# KiCad board Clavier.kicad_pcb (continued)
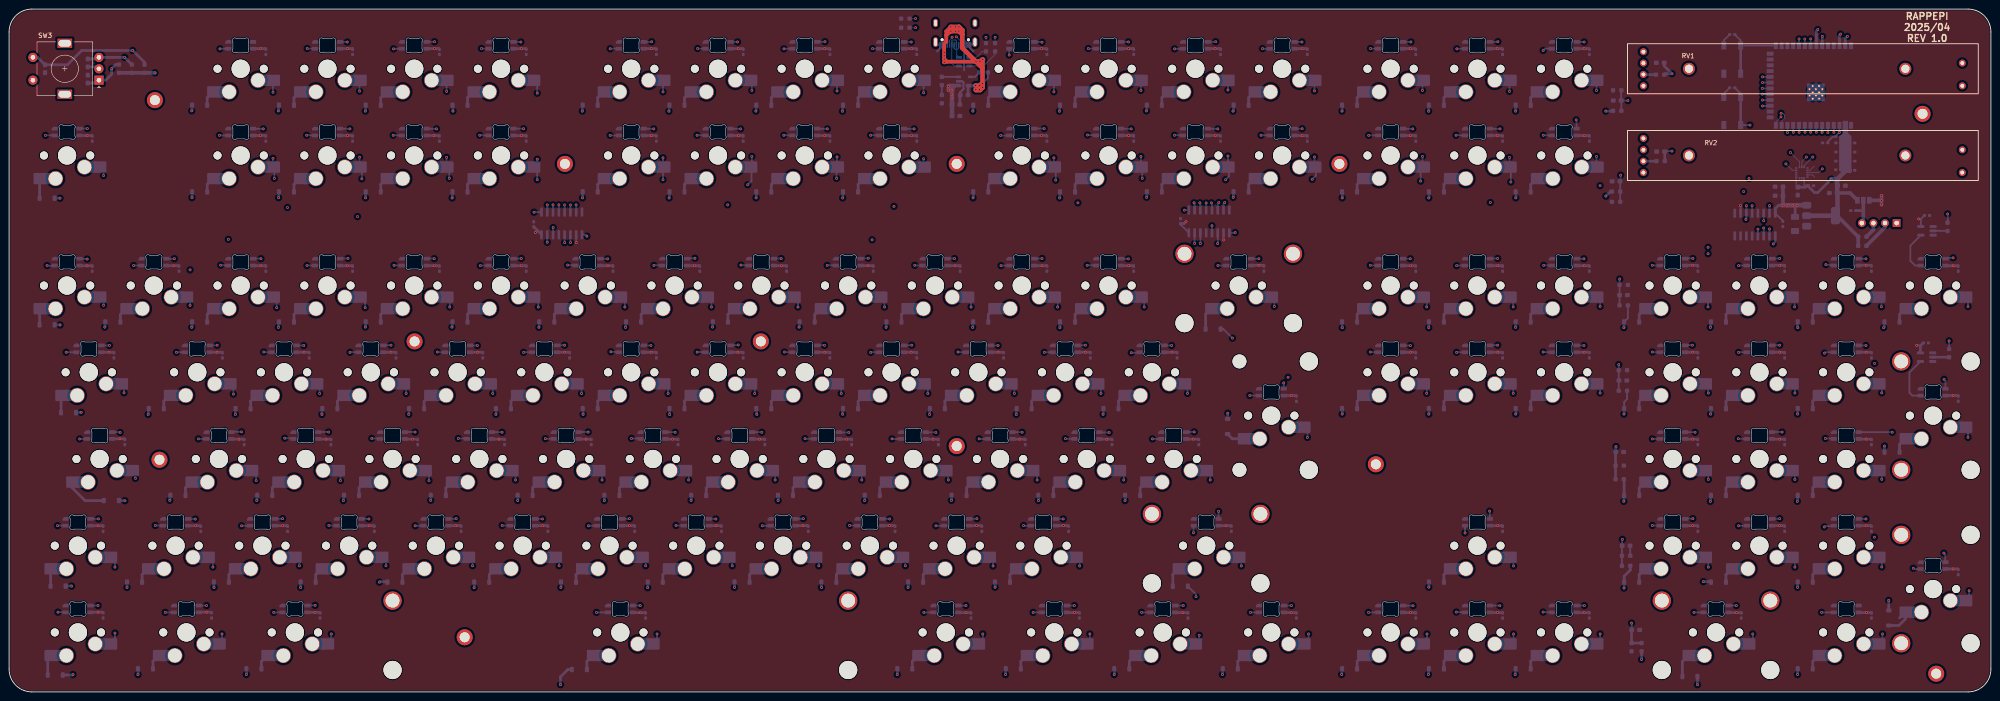
[diagram p0: board, top side]
## Routing (per net, layer and track width the routed paths; a pad name or vN(x,y) marks a point on that pad's centre or on a via; arc(x,y) is an arc through that point) (continued)
Net-(D54-A): length 3.4
  Bottom w0.6: MX54.2 33.95,63.88 33.95,62.22
Net-(D55-A): length 3.4
  Bottom w0.6: 54.26,65.14 53,63.88 D55.2
Net-(D56-A): length 3.4
  Bottom w0.6: MX56.2 72.05,63.88 D56.2
Net-(D57-A): length 3.4
  Bottom w0.6: D57.2 91.1,63.88 MX57.2
Net-(D58-A): length 3.4
  Bottom w0.6: D58.2 110.15,63.88 MX58.2
Net-(D59-A): length 3.4
  Bottom w0.6: MX59.2 129.2,63.88 D59.2
Net-(D60-A): length 3.4
  Bottom w0.6: MX60.2 148.25,63.88 D60.2
Net-(D61-A): length 3.4
  Bottom w0.6: MX61.2 167.3,63.88 D61.2
Net-(D62-A): length 3.4
  Bottom w0.6: D62.2 186.35,63.88 187.61,65.14
Net-(D63-A): length 3.4
  Bottom w0.6: D63.2 205.4,63.88 MX63.2
Net-(D64-A): length 3.4
  Bottom w0.6: MX64.2 224.45,63.88 D64.2
Net-(D65-A): length 3.4
  Bottom w0.6: MX65.2 243.5,63.88 243.5,62.22
Net-(D66-A): length 3.9
  Bottom w0.6: D66.2 268.49,55.61 270.95,55.61
Net-(D67-A): length 3.4
  Bottom w0.6: MX67.2 295.89,63.88 D67.2
Net-(D68-A): length 3.4
  Bottom w0.6: D68.2 314.94,63.88 MX68.2
Net-(D69-A): length 3.4
  Bottom w0.6: D69.2 333.99,63.88 MX69.2
Net-(D70-A): length 3.4
  Bottom w0.6: MX70.2 357.8,63.88 D70.2
Net-(D71-A): length 3.4
  Bottom w0.6: 378.11,65.14 376.85,63.88 D71.2
Net-(D72-A): length 3.4
  Bottom w0.6: D72.2 395.9,63.88 MX72.2
Net-(D73-A): length 3.4
  Bottom w0.6: 416.21,55.61 414.95,54.35 D73.2
Net-(D74-A): length 9.4
  Bottom w0.6: D74.2 16.64,42.04 13.78,44.89 MX74.2
Net-(D74-K): length 391.6
  In1.Cu w0.6: v1(392.51,41.87) 373.44,41.87 v1(373.42,41.85) 373.4,41.87 v1(354.41,41.87) 289.02,41.87 287.23,43.66 246.58,43.66 v1(244.94,42.02) 244.88,42.08 v1(35.26,42.08) 35.18,41.99 v1(25.42,41.99)
  Bottom w0.6: 392.56,43.12 392.56,41.91 ; 168.83,43.29 168.83,42.08 ; D87.1 354.5,46.65 R13.1 ; 73.41,43.28 73.41,42.06 ; 111.68,43.29 111.68,42.08 ; 35.31,43.33 35.31,42.12 ; 373.46,43.11 373.46,41.89 ; 206.88,43.33 206.88,42.12 ; 130.68,43.28 130.68,42.06 ; 92.58,43.33 92.58,42.12 ; 187.83,43.28 187.83,42.06 ; 149.73,43.33 149.73,42.12 ; 225.98,43.29 225.98,42.08 ; 24.16,42.04 25.37,42.04 ; 244.98,43.28 244.98,42.06 ; 54.4,43.29 54.4,42.08 ; 354.46,43.12 354.46,41.91
  vias: v1(54.36,42.04) v1(73.36,42.02) v1(92.54,42.08) v1(111.63,42.04) v1(130.64,42.02) v1(149.69,42.08) v1(168.78,42.04) v1(187.79,42.02) v1(206.84,42.08) v1(225.93,42.04)
Net-(D75-A): length 3.4
  Bottom w0.6: D75.2 38.71,44.83 MX75.2
Net-(D76-A): length 3.4
  Bottom w0.6: MX76.2 57.76,44.83 D76.2
Net-(D77-A): length 3.4
  Bottom w0.6: MX77.2 76.81,44.83 D77.2
Net-(D78-A): length 3.4
  Bottom w0.6: MX78.2 95.86,44.83 D78.2
Net-(D79-A): length 3.4
  Bottom w0.6: MX79.2 114.91,44.83 D79.2
Net-(D80-A): length 3.4
  Bottom w0.6: MX80.2 133.96,44.83 D80.2
Net-(D81-A): length 3.4
  Bottom w0.6: MX81.2 153.01,44.83 D81.2
Net-(D82-A): length 3.4
  Bottom w0.6: MX82.2 172.06,44.83 D82.2
Net-(D83-A): length 3.4
  Bottom w0.6: D83.2 191.11,44.83 MX83.2
Net-(D84-A): length 3.4
  Bottom w0.6: MX84.2 210.16,44.83 D84.2
Net-(D85-A): length 3.4
  Bottom w0.6: D85.2 229.21,44.83 MX85.2
Net-(D86-A): length 3.4
  Bottom w0.6: MX86.2 248.26,44.83 D86.2
Net-(D87-A): length 3.4
  Bottom w0.6: MX87.2 357.8,44.83 D87.2
Net-(D88-A): length 3.4
  Bottom w0.6: 378.11,46.09 376.85,44.83 D88.2
Net-(D89-A): length 3.4
  Bottom w0.6: MX89.2 395.9,44.83 D89.2
Net-(D90-A): length 3.8
  Bottom w0.6: MX90.2 9.1,26.96 D90.2
Net-(D91-A): length 3.4
  Bottom w0.6: MX91.2 29.19,25.78 D91.2
Net-(D92-A): length 3.4
  Bottom w0.6: D92.2 48.24,25.78 MX92.2
Net-(D93-A): length 3.4
  Bottom w0.6: D93.2 67.29,25.78 MX93.2
Net-(D94-A): length 3.4
  Bottom w0.6: MX94.2 86.34,25.78 D94.2
Net-(D95-A): length 3.4
  Bottom w0.6: MX95.2 105.39,25.78 D95.2
Net-(D96-A): length 3.4
  Bottom w0.6: MX96.2 124.44,25.78 D96.2
Net-(D97-A): length 3.4
  Bottom w0.6: MX97.2 143.49,25.78 D97.2
Net-(D98-A): length 3.4
  Bottom w0.6: D98.2 162.54,25.78 MX98.2
Net-(D99-A): length 3.4
  Bottom w0.6: MX99.2 181.59,25.78 D99.2
Net-(D100-A): length 3.4
  Bottom w0.6: MX100.2 200.64,25.78 D100.2
Net-(D100-K): length 433.8
  In1.Cu w0.6: v1(13.72,23.24) 25.57,23.24 v1(25.86,22.94) 25.89,22.91 78.18,22.91 79.43,24.16 100.28,24.16 101.53,22.91 246.06,22.91 248.06,20.91 v1(260.53,20.91) 276.53,20.91 278.42,22.8 v1(354.46,22.8) 354.46,22.89 355.78,24.21 v1(371.88,24.21) 391.35,24.21 392.56,23.01 v1(392.56,22.97) 409.72,22.97 v1(412.58,20.11)
  Bottom w0.4: v1(260.53,20.91) 260.53,21.42 D102.1
  Bottom w0.6: v1(81.28,24.11) 81.36,24.2 83.06,24.2 ; 216.45,24.25 216.45,23.03 ; 373.51,24.23 371.89,24.23 v1(371.88,24.21) ; 121.16,24.2 121.16,22.99 ; v1(412.58,20.11) 412.58,17.92 ; v1(44.99,22.94) 44.94,22.99 D92.1 ; 25.91,24.2 25.91,22.99 ; 178.31,24.15 v1(178.31,22.93) ; D104.1 354.5,25.43 355.84,26.77 R15.1 ; 140.21,24.15 140.21,22.93 ; D93.1 63.99,22.95 v1(63.99,22.94) ; 354.5,24.06 354.5,22.85 ; 311.66,24.26 311.66,23.04 ; 102.11,24.15 102.11,22.93 ; 197.36,24.2 197.36,22.99 ; 392.6,24.23 392.6,23.01 ; 159.26,24.2 159.26,22.99 ; 12.46,23.28 13.67,23.28
  vias: v1(102.06,22.89) v1(121.11,22.94) v1(140.16,22.89) v1(159.21,22.94) v1(197.31,22.94) v1(216.41,22.99) v1(311.61,23)
Net-(D101-A): length 3.4
  Bottom w0.6: MX101.2 219.69,25.78 D101.2
Net-(D102-A): length 4.3
  Bottom w0.6: D102.2 255.43,25.8 MX102.2
Net-(D103-A): length 3.4
  Bottom w0.6: MX103.2 314.94,25.78 D103.2
Net-(D104-A): length 3.4
  Bottom w0.6: D104.2 357.8,25.78 MX104.2
Net-(D105-A): length 3.4
  Bottom w0.6: D105.2 376.85,25.78 378.11,27.04
Net-(D106-A): length 3.4
  Bottom w0.6: D106.2 395.9,25.78 MX106.2
Net-(D107-A): length 7.5
  Bottom w0.6: 414.95,16.25 416.21,17.51 416.21,16 414.79,14.58 D107.2
Net-(D108-A): length 4.5
  Bottom w0.6: MX108.2 8.48,7.45 D108.2
Net-(D108-K): length 408.5
  In1.Cu w0.6: v1(392.56,3.81) 390.32,1.58 v1(370.59,1.58) 360.59,1.58 358.35,3.81 ; v1(358.33,7.11) 358.35,7.09 358.35,3.81 ; 358.35,3.81 v1(330.58,3.81) v1(292.48,3.81) v1(194.94,3.81) 193.38,3.81 191.15,1.58 81.99,1.58 79.75,3.81 v1(52.07,3.81) v1(14.03,3.81)
  Bottom w0.6: R17.1 v1(358.33,7.11) ; 330.62,5.07 330.62,3.85 ; 292.52,5.07 292.52,3.85 ; D119.1 370.59,1.58 v1(370.59,1.58) ; 266.36,5.07 266.36,3.85 ; 218.74,5.07 218.74,3.85 ; 311.57,5.07 311.57,3.85 ; v1(14.03,3.81) 13.93,3.71 D108.1 ; 52.11,5.07 52.11,3.85 ; 28.32,5.05 28.32,3.84 ; v1(121.03,1.58) 121.03,3.31 122.63,4.91 D111.1 ; 194.99,5.07 194.99,3.85 ; D120.1 392.6,3.85 ; 242.61,5.07 242.61,3.85
  vias: v1(28.28,3.79) v1(218.69,3.81) v1(242.57,3.81) v1(266.32,3.81) v1(311.53,3.81)
Net-(D109-A): length 3.4
  Bottom w0.6: D109.2 31.57,6.73 MX109.2
Net-(D110-A): length 3.4
  Bottom w0.6: MX110.2 55.38,6.73 D110.2
Net-(D111-A): length 3.4
  Bottom w0.6: 126.82,5.07 126.82,6.73 MX111.2
Net-(D112-A): length 3.4
  Bottom w0.6: MX112.2 198.26,6.73 D112.2
Net-(D113-A): length 3.4
  Bottom w0.6: D113.2 222.07,6.73 MX113.2
Net-(D114-A): length 3.4
  Bottom w0.6: D114.2 245.88,6.73 MX114.2
Net-(D115-A): length 3.4
  Bottom w0.6: MX115.2 269.69,6.73 D115.2
Net-(D116-A): length 3.4
  Bottom w0.6: D116.2 295.89,6.73 MX116.2
Net-(D117-A): length 3.4
  Bottom w0.6: D117.2 314.94,6.73 MX117.2
Net-(D118-A): length 3.4
  Bottom w0.6: MX118.2 333.99,6.73 D118.2
Net-(D119-A): length 5.1
  Bottom w0.6: 367.29,3.38 367.29,6.69 MX119.2
Net-(D120-A): length 3.4
  Bottom w0.6: MX120.2 395.9,6.73 D120.2
Net-(J1-CC1): length 12.1
  In1.Cu w0.2: v1(206.98,143.83) 205.66,143.83 205.03,144.46 202.18,144.46 200.73,145.91 v1(198.98,145.91)
  Bottom w0.2: R2.2 v1(198.98,145.91) ; v1(206.98,143.83) 206.98,143.61 206.95,143.61 206.43,143.09 206.43,142.2
Net-(J1-CC2): length 14.6
  In1.Cu w0.2: v1(198.98,147.91) 199.48,147.91 202.53,144.86 205.19,144.86 205.6,144.45 207.45,144.45 207.93,143.98 v1(207.93,143.91)
  Bottom w0.2: 209.43,142.2 209.43,142.88 209.05,143.25 208.59,143.25 v1(207.93,143.91) ; 209.43,142.2 209.43,142.2 ; R3.2 v1(198.98,147.91)
Net-(J1-D+-PadA6): length 4.8
  Bottom w0.2: 207.98,141.21 207.59,141.21 207.43,141.38 207.43,142.2 ; 207.98,141.21 207.98,139.91 U6.3 ; 207.98,141.21 208.23,141.21 208.43,141.42 208.43,142.2
Net-(J1-D--PadA7): length 8.7
  Bottom w0.2: U6.1 207.49,137.5 206.93,138.06 206.93,143.03 207.12,143.21 207.73,143.21 207.93,143.01 207.93,142.2
Net-(J2-Pin_4): length 6.8
  Bottom w0.6: 407,105.7 406.97,105.73 C159.1
  Bottom w0.8: JP1.2 407,103.32 J2.4
Net-(LED1-DIN): length 37.8
  In1.Cu w0.4: v1(46.28,141.26) 46.28,140.21 46.98,139.51 74.73,139.51 75.43,140.21 75.43,142.36 75.03,142.76 v1(74.23,142.76)
  Bottom w0.4: 48.06,141.29 46.31,141.29 v1(46.28,141.26) ; v1(74.23,142.76) 74.2,142.79 72.56,142.79
Net-(LED2-DIN): length 37.8
  In1.Cu w0.4: v1(93.38,142.84) 93.38,143.89 92.68,144.59 64.93,144.59 64.23,143.89 64.23,141.74 64.63,141.34 v1(65.43,141.34)
  Bottom w0.4: v1(65.43,141.34) 65.46,141.31 67.1,141.31 ; 91.6,142.81 93.35,142.81 v1(93.38,142.84)
Net-(LED3-DIN): length 37.8
  In1.Cu w0.4: v1(112.33,142.76) 113.13,142.76 113.53,142.36 113.53,140.21 112.83,139.51 85.08,139.51 84.38,140.21 v1(84.38,141.26)
  Bottom w0.4: 110.66,142.79 112.3,142.79 v1(112.33,142.76) ; 86.16,141.29 84.41,141.29 v1(84.38,141.26)
Net-(LED4-DIN): length 47.1
  In1.Cu w0.4: v1(103.68,141.34) 102.88,141.34 102.48,141.74 102.48,143.89 103.16,144.57 140.34,144.57 141.04,143.87 v1(141.04,142.82)
  Bottom w0.4: 105.34,141.31 103.71,141.31 ; 141.01,142.79 139.25,142.79
Net-(LED5-DIN): length 37.8
  In1.Cu w0.4: v1(159.89,142.78) 160.69,142.78 161.09,142.38 161.09,140.23 160.39,139.53 132.64,139.53 131.94,140.23 v1(131.94,141.28)
  Bottom w0.4: 158.23,142.81 159.86,142.81 v1(159.89,142.78) ; 133.73,141.31 131.97,141.31 v1(131.94,141.28)
Net-(LED6-DIN): length 37.8
  In1.Cu w0.4: v1(179.08,142.84) 179.08,143.89 178.38,144.59 150.63,144.59 149.93,143.89 149.93,141.74 150.33,141.34 v1(151.13,141.34)
  Bottom w0.4: 177.3,142.81 179.05,142.81 v1(179.08,142.84) ; v1(151.13,141.34) 151.16,141.31 152.8,141.31
Net-(LED7-DIN): length 37.8
  In1.Cu w0.4: v1(170.08,141.26) 170.08,140.21 170.78,139.51 198.53,139.51 199.23,140.21 199.23,142.36 198.83,142.76 v1(198.03,142.76)
  Bottom w0.4: v1(170.08,141.26) 170.11,141.29 171.86,141.29 ; v1(198.03,142.76) 198,142.79 196.36,142.79
Net-(LED8-DIN): length 56.7
  In2.Cu w0.4: v1(226.73,142.71) 226.73,144.11 226.33,144.51 218.93,144.51 218.13,143.71 218.13,140.11 214.13,136.11 202.64,136.11 200.65,138.1 200.65,142.8 199.07,144.38 189.8,144.38 189.53,144.11 v1(189.53,141.31)
  Bottom w0.4: LED9.2 226.65,142.79 v1(226.73,142.71) ; v1(189.53,141.31) 190.96,141.31 LED8.3
Net-(LED10-DIN): length 37.8
  In1.Cu w0.4: v1(236.88,141.34) 236.08,141.34 235.68,141.74 235.68,143.89 236.38,144.59 264.13,144.59 264.83,143.89 v1(264.83,142.84)
  Bottom w0.4: v1(264.83,142.84) 264.8,142.81 263.05,142.81 ; 238.55,141.31 236.91,141.31 v1(236.88,141.34)
Net-(LED10-DOUT): length 34.4
  In1.Cu w0.4: v1(245.69,142.78) 246.49,142.78 246.89,142.38 246.89,140.23 246.19,139.53 219.91,139.53 v1(219.53,139.91)
  Bottom w0.4: v1(219.53,139.91) 219.53,141.31 ; 244.03,142.81 245.66,142.81 v1(245.69,142.78)
Net-(LED11-DIN): length 37.8
  In1.Cu w0.4: v1(255.83,141.26) 255.83,140.21 256.53,139.51 284.28,139.51 284.98,140.21 284.98,142.36 284.58,142.76 v1(283.78,142.76)
  Bottom w0.4: 282.11,142.79 283.75,142.79 v1(283.78,142.76) ; 257.61,141.29 255.86,141.29 v1(255.83,141.26)
Net-(LED12-DIN): length 45.9
  In1.Cu w0.4: v1(275.13,141.31) 274.73,141.71 274.73,143.31 275.8,144.38 286.26,144.38 291.11,139.53 308.19,139.53 308.89,140.23 308.89,142.38 308.49,142.78 v1(307.69,142.78)
  Bottom w0.4: v1(307.69,142.78) 307.66,142.81 306.03,142.81 ; 276.79,141.28 275.16,141.28
Net-(LED13-DIN): length 37.8
  In1.Cu w0.4: v1(326.78,142.84) 326.78,143.89 326.08,144.59 298.33,144.59 297.63,143.89 297.63,141.74 298.03,141.34 v1(298.83,141.34)
  Bottom w0.4: v1(326.78,142.84) 326.75,142.81 325,142.81 ; 300.5,141.31 298.86,141.31 v1(298.83,141.34)
Net-(LED14-DIN): length 37.8
  In1.Cu w0.4: v1(317.78,141.26) 317.78,140.21 318.48,139.51 346.23,139.51 346.93,140.21 346.93,142.36 346.53,142.76 v1(345.73,142.76)
  Bottom w0.4: LED15.2 345.7,142.79 v1(345.73,142.76) ; v1(317.78,141.26) 317.81,141.29 LED14.3
Net-(LED15-DIN): length 22.3
  In2.Cu w0.4: v1(336.73,140.91) 336.73,139.51 338.23,138.01 338.23,135.81 343.93,130.11 343.93,125.71 v1(343.98,125.66)
  Bottom w0.4: LED31.2 344.06,125.58 v1(343.98,125.66) ; LED15.3 338.59,141.31 337.13,141.31 v1(336.73,140.91)
Net-(LED16-DIN): length 37.5
  In2.Cu w0.4: v1(17.14,95.08) 17.14,98.45 4.83,110.76 4.83,119.56 7.53,122.26 v1(7.98,122.26)
  Bottom w0.4: 15.48,95.11 17.11,95.11 ; LED16.3 9.98,122.26 v1(7.98,122.26)
Net-(LED16-DOUT): length 33.2
  In1.Cu w0.4: v1(17.18,123.76) 44.68,123.76 v1(46.16,122.28)
  Bottom w0.4: 48.06,122.26 46.18,122.26 ; LED16.2 15.47,123.76 v1(17.18,123.76)
Net-(LED17-DOUT): length 14.2
  In1.Cu w0.4: v1(65.3,122.29) 63.91,123.68 v1(55.8,123.68)
  Bottom w0.4: 55.77,123.71 53.58,123.71 ; 67.2,122.27 65.32,122.27
Net-(LED18-DOUT): length 14.2
  In1.Cu w0.4: v1(84.3,122.29) 82.91,123.68 v1(74.8,123.68)
  Bottom w0.4: 74.77,123.71 72.58,123.71 ; 86.2,122.27 84.32,122.27
Net-(LED19-DOUT): length 14.2
  In1.Cu w0.4: v1(103.3,122.29) 101.91,123.68 v1(93.8,123.68)
  Bottom w0.4: 93.77,123.71 91.58,123.71 ; 105.2,122.27 103.32,122.27
Net-(LED20-DOUT): length 23.7
  In1.Cu w0.4: v1(112.93,123.71) 130.48,123.71 v1(131.93,122.26)
  Bottom w0.4: 110.7,123.74 112.9,123.74 v1(112.93,123.71) ; v1(131.93,122.26) 131.95,122.24 LED21.3
Net-(LED21-DOUT): length 14.2
  In1.Cu w0.4: v1(141.5,123.68) 149.61,123.68 v1(151,122.29)
  Bottom w0.4: 152.9,122.27 151.02,122.27 ; 141.47,123.71 139.28,123.71
Net-(LED22-DOUT): length 14.2
  In1.Cu w0.4: v1(170.05,122.29) 168.66,123.68 v1(160.55,123.68)
  Bottom w0.4: 160.52,123.71 158.33,123.71 ; 171.95,122.27 170.07,122.27
Net-(LED23-DOUT): length 14.2
  In1.Cu w0.4: v1(179.6,123.68) 187.71,123.68 v1(189.1,122.29)
  Bottom w0.4: 191,122.27 189.12,122.27 ; 179.57,123.71 177.38,123.71
Net-(LED24-DOUT): length 23.7
  In1.Cu w0.4: v1(198.66,123.68) 216.21,123.68 v1(217.66,122.23)
  Bottom w0.4: 219.56,122.21 217.68,122.21 ; 198.63,123.71 196.43,123.71
Net-(LED25-DOUT): length 14.2
  In1.Cu w0.4: v1(227.2,123.73) 235.31,123.73 v1(236.7,122.34)
  Bottom w0.4: 227.17,123.76 224.98,123.76 ; 238.6,122.32 236.72,122.32
Net-(LED26-DOUT): length 14.2
  In1.Cu w0.4: v1(246.3,123.68) 254.41,123.68 v1(255.8,122.29)
  Bottom w0.4: 257.7,122.27 255.82,122.27 ; 246.27,123.71 244.08,123.71
Net-(LED27-DOUT): length 14.2
  In1.Cu w0.4: v1(265.3,123.68) 273.41,123.68 v1(274.8,122.29)
  Bottom w0.4: 265.27,123.71 263.08,123.71 ; 276.7,122.27 274.82,122.27
Net-(LED28-DOUT): length 19
  In1.Cu w0.4: v1(283.83,123.71) 296.98,123.71 v1(298.43,122.26)
  Bottom w0.4: v1(283.83,123.71) 283.8,123.74 LED28.2 ; LED29.3 300.49,122.26 v1(298.43,122.26)
Net-(LED29-DOUT): length 14.2
  In1.Cu w0.4: v1(317.6,122.29) 316.21,123.68 v1(308.1,123.68)
  Bottom w0.4: 319.5,122.27 317.62,122.27 ; 308.07,123.71 305.88,123.71
Net-(LED30-DOUT): length 14.2
  In1.Cu w0.4: v1(327.25,123.68) 335.36,123.68 v1(336.75,122.29)
  Bottom w0.4: 327.22,123.71 325.03,123.71 ; 338.65,122.27 336.77,122.27
Net-(LED32-DIN): length 37.8
  In1.Cu w0.4: v1(36.28,95.16) 36.28,96.21 35.58,96.91 7.83,96.91 7.13,96.21 7.13,94.06 7.53,93.66 v1(8.33,93.66)
  Bottom w0.4: 9.99,93.63 8.36,93.63 v1(8.33,93.66) ; 34.49,95.13 36.25,95.13 v1(36.28,95.16)
Net-(LED33-DIN): length 37.8
  In1.Cu w0.4: v1(55.28,95.16) 56.08,95.16 56.48,94.76 56.48,92.61 55.78,91.91 28.03,91.91 27.33,92.61 v1(27.33,93.66)
  Bottom w0.4: 29.11,93.69 27.36,93.69 v1(27.33,93.66) ; v1(55.28,95.16) 55.25,95.19 53.61,95.19
Net-(LED34-DIN): length 37.8
  In1.Cu w0.4: v1(46.43,93.74) 45.63,93.74 45.23,94.14 45.23,96.29 45.93,96.99 73.68,96.99 74.38,96.29 v1(74.38,95.24)
  Bottom w0.4: v1(46.43,93.74) 46.46,93.71 48.1,93.71 ; 72.6,95.21 74.35,95.21 v1(74.38,95.24)
Net-(LED35-DIN): length 37.8
  In1.Cu w0.4: v1(93.33,95.16) 94.13,95.16 94.53,94.76 94.53,92.61 93.83,91.91 66.08,91.91 65.38,92.61 v1(65.38,93.66)
  Bottom w0.4: v1(93.33,95.16) 93.3,95.19 91.66,95.19 ; v1(65.38,93.66) 65.41,93.69 67.16,93.69
Net-(LED36-DIN): length 37.8
  In1.Cu w0.4: v1(112.43,95.22) 112.43,96.27 111.73,96.97 83.98,96.97 83.28,96.27 83.28,94.12 83.68,93.72 v1(84.48,93.72)
  Bottom w0.4: v1(84.48,93.72) 84.51,93.69 86.15,93.69 ; v1(112.43,95.22) 112.4,95.19 110.65,95.19
Net-(LED37-DIN): length 37.8
  In1.Cu w0.4: v1(103.43,93.64) 103.43,92.59 104.13,91.89 131.88,91.89 132.58,92.59 132.58,94.74 132.18,95.14 v1(131.38,95.14)
  Bottom w0.4: v1(131.38,95.14) 131.35,95.17 129.71,95.17 ; v1(103.43,93.64) 103.46,93.67 105.21,93.67
Net-(LED38-DIN): length 37.8
  In1.Cu w0.4: v1(150.53,95.27) 150.53,96.32 149.83,97.02 122.08,97.02 121.38,96.32 121.38,94.17 121.78,93.77 v1(122.58,93.77)
  Bottom w0.4: 148.75,95.24 150.5,95.24 v1(150.53,95.27) ; v1(122.58,93.77) 122.61,93.74 124.25,93.74
Net-(LED39-DIN): length 37.8
  In1.Cu w0.4: v1(141.53,93.69) 141.53,92.64 142.23,91.94 169.98,91.94 170.68,92.64 170.68,94.79 170.28,95.19 v1(169.48,95.19)
  Bottom w0.4: v1(141.53,93.69) 141.56,93.72 143.31,93.72 ; 167.81,95.22 169.45,95.22 v1(169.48,95.19)
Net-(LED40-DIN): length 37.8
  In1.Cu w0.4: v1(188.58,95.27) 188.58,96.32 187.88,97.02 160.13,97.02 159.43,96.32 159.43,94.17 159.83,93.77 v1(160.63,93.77)
  Bottom w0.4: 186.8,95.24 188.55,95.24 v1(188.58,95.27) ; v1(160.63,93.77) 160.66,93.74 162.3,93.74
Net-(LED41-DIN): length 37.8
  In1.Cu w0.4: v1(207.53,95.19) 208.33,95.19 208.73,94.79 208.73,92.64 208.03,91.94 180.28,91.94 179.58,92.64 v1(179.58,93.69)
  Bottom w0.4: v1(207.53,95.19) 207.5,95.22 205.86,95.22 ; 181.36,93.72 179.61,93.72 v1(179.58,93.69)
Net-(LED42-DIN): length 37.8
  In1.Cu w0.4: v1(226.73,95.22) 226.73,96.27 226.03,96.97 198.28,96.97 197.58,96.27 197.58,94.12 197.98,93.72 v1(198.78,93.72)
  Bottom w0.4: 200.45,93.69 198.81,93.69 v1(198.78,93.72) ; 224.95,95.19 226.7,95.19 v1(226.73,95.22)
Net-(LED43-DIN): length 37.8
  In1.Cu w0.4: v1(245.68,95.14) 246.48,95.14 246.88,94.74 246.88,92.59 246.18,91.89 218.43,91.89 217.73,92.59 v1(217.73,93.64)
  Bottom w0.4: v1(245.68,95.14) 245.65,95.17 244.01,95.17 ; v1(217.73,93.64) 217.76,93.67 219.51,93.67
Net-(LED44-DIN): length 49
  In1.Cu w0.4: v1(236.63,93.71) 236.63,96.31 237.33,97.01 246.63,97.01 250.73,92.91 261.73,92.91 265.73,96.91 273.63,96.91 274.33,96.21 v1(274.33,95.16)
  Bottom w0.4: LED44.3 238.56,93.71 v1(236.63,93.71) ; 274.3,95.13 272.54,95.13
Net-(LED45-DIN): length 52
  In1.Cu w0.4: v1(307.56,95.15) 308.36,95.15 308.76,94.75 308.76,92.6 308.06,91.9 266.14,91.9 265.33,92.71 v1(265.33,93.67)
  Bottom w0.4: 305.89,95.18 307.53,95.18 ; v1(265.33,93.67) LED45.3
Net-(LED46-DIN): length 37.8
  In1.Cu w0.4: v1(326.73,95.22) 326.73,96.27 326.03,96.97 298.28,96.97 297.58,96.27 297.58,94.12 297.98,93.72 v1(298.78,93.72)
  Bottom w0.4: 324.95,95.19 326.7,95.19 v1(326.73,95.22) ; 300.45,93.69 298.81,93.69 v1(298.78,93.72)
Net-(LED47-DIN): length 37.8
  In1.Cu w0.4: v1(317.73,93.64) 317.73,92.59 318.43,91.89 346.18,91.89 346.88,92.59 346.88,94.74 346.48,95.14 v1(345.68,95.14)
  Bottom w0.4: v1(345.68,95.14) 345.65,95.17 344.01,95.17 ; v1(317.73,93.64) 317.76,93.67 319.51,93.67
Net-(LED48-DIN): length 47.6
  In1.Cu w0.4: v1(336.84,93.71) 335.84,94.71 335.84,96.21 336.84,97.21 347.84,97.21 352.97,92.07 369.97,92.07 369.97,92.09 370.79,92.91 370.79,94.81 370.39,95.21 v1(369.59,95.21)
  Bottom w0.4: v1(336.84,93.71) 338.68,93.71 338.73,93.66 ; 367.93,95.24 369.56,95.24
Net-(LED49-DIN): length 37.8
  In1.Cu w0.4: v1(388.63,95.22) 388.63,96.27 387.93,96.97 360.18,96.97 359.48,96.27 359.48,94.12 359.88,93.72 v1(360.68,93.72)
  Bottom w0.4: 386.85,95.19 388.6,95.19 v1(388.63,95.22) ; 362.35,93.69 360.71,93.69 v1(360.68,93.72)
Net-(LED50-DIN): length 37.8
  In1.Cu w0.4: v1(379.63,93.64) 379.63,92.59 380.33,91.89 408.08,91.89 408.78,92.59 408.78,94.74 408.38,95.14 v1(407.58,95.14)
  Bottom w0.4: 381.41,93.67 379.66,93.67 v1(379.63,93.64) ; 405.91,95.17 407.55,95.17 v1(407.58,95.14)
Net-(LED51-DIN): length 37.8
  In1.Cu w0.4: v1(426.73,95.36) 426.73,96.41 426.03,97.11 398.28,97.11 397.58,96.41 397.58,94.26 397.98,93.86 v1(398.78,93.86)
  Bottom w0.4: 424.94,95.33 426.7,95.33 v1(426.73,95.36) ; v1(398.78,93.86) 398.81,93.83 400.44,93.83
Net-(LED52-DIN): length 9.3
  Bottom w0.4: LED52.3 418.37,93.67 417.33,94.71 417.33,98.04 U7.4
Net-(LED53-DIN): length 42.4
  In1.Cu w0.4: v1(45.68,76.16) 45.68,77.21 44.98,77.91 12.63,77.91 11.73,77.01 11.73,75.41 v1(12.53,74.61)
  Bottom w0.4: v1(12.53,74.61) 14.76,74.61 LED53.3 ; 45.65,76.13 43.89,76.13
Net-(LED53-DOUT): length 28.6
  In2.Cu w0.4: v1(15.48,55.56) 15.48,58.31 24.23,67.06 24.23,73.96 22.08,76.11 v1(22.03,76.11)
  Bottom w0.4: v1(22.03,76.11) 20.22,76.11 LED53.2 ; 17.17,55.56 v1(15.48,55.56)
Net-(LED54-DIN): length 37.8
  In1.Cu w0.4: v1(36.73,74.59) 36.73,73.54 37.43,72.84 65.18,72.84 65.88,73.54 65.88,75.69 65.48,76.09 v1(64.68,76.09)
  Bottom w0.4: v1(36.73,74.59) 36.76,74.62 38.51,74.62 ; v1(64.68,76.09) 64.65,76.12 63.01,76.12
Net-(LED55-DIN): length 37.8
  In1.Cu w0.4: v1(83.83,76.17) 83.83,77.22 83.13,77.92 55.38,77.92 54.68,77.22 54.68,75.07 55.08,74.67 v1(55.88,74.67)
  Bottom w0.4: 82.05,76.14 83.8,76.14 v1(83.83,76.17) ; 57.55,74.64 55.91,74.64 v1(55.88,74.67)
Net-(LED56-DIN): length 37.8
  In1.Cu w0.4: v1(74.83,74.59) 74.83,73.54 75.53,72.84 103.28,72.84 103.98,73.54 103.98,75.69 103.58,76.09 v1(102.78,76.09)
  Bottom w0.4: 76.61,74.62 74.86,74.62 v1(74.83,74.59) ; 101.11,76.12 102.75,76.12 v1(102.78,76.09)
Net-(LED57-DIN): length 37.8
  In1.Cu w0.4: v1(93.98,74.67) 93.18,74.67 92.78,75.07 92.78,77.22 93.48,77.92 121.23,77.92 121.93,77.22 v1(121.93,76.17)
  Bottom w0.4: 95.65,74.64 94.01,74.64 v1(93.98,74.67) ; 120.15,76.14 121.9,76.14 v1(121.93,76.17)
Net-(LED58-DIN): length 37.8
  In1.Cu w0.4: v1(140.88,76.09) 141.68,76.09 142.08,75.69 142.08,73.54 141.38,72.84 113.63,72.84 112.93,73.54 v1(112.93,74.59)
  Bottom w0.4: 139.21,76.12 140.85,76.12 v1(140.88,76.09) ; v1(112.93,74.59) 112.96,74.62 114.71,74.62
Net-(LED59-DIN): length 37.8
  In1.Cu w0.4: v1(160.03,76.22) 160.03,77.27 159.33,77.97 131.58,77.97 130.88,77.27 130.88,75.12 131.28,74.72 v1(132.08,74.72)
  Bottom w0.4: v1(160.03,76.22) 160,76.19 158.25,76.19 ; 133.75,74.69 132.11,74.69 v1(132.08,74.72)
Net-(LED60-DIN): length 37.8
  In1.Cu w0.4: v1(151.03,74.64) 151.03,73.59 151.73,72.89 179.48,72.89 180.18,73.59 180.18,75.74 179.78,76.14 v1(178.98,76.14)
  Bottom w0.4: v1(151.03,74.64) 151.06,74.67 152.81,74.67 ; v1(178.98,76.14) 178.95,76.17 177.31,76.17
Net-(LED61-DIN): length 37.8
  In1.Cu w0.4: v1(198.13,76.17) 198.13,77.22 197.43,77.92 169.68,77.92 168.98,77.22 168.98,75.07 169.38,74.67 v1(170.18,74.67)
  Bottom w0.4: v1(198.13,76.17) 198.1,76.14 196.35,76.14 ; 171.85,74.64 170.21,74.64 v1(170.18,74.67)
Net-(LED62-DIN): length 37.8
  In1.Cu w0.4: v1(217.08,76.09) 217.88,76.09 218.28,75.69 218.28,73.54 217.58,72.84 189.83,72.84 189.13,73.54 v1(189.13,74.59)
  Bottom w0.4: v1(217.08,76.09) 217.05,76.12 215.41,76.12 ; 190.91,74.62 189.16,74.62 v1(189.13,74.59)
Net-(LED63-DIN): length 37.8
  In1.Cu w0.4: v1(236.23,76.17) 236.23,77.22 235.53,77.92 207.78,77.92 207.08,77.22 207.08,75.07 207.48,74.67 v1(208.28,74.67)
  Bottom w0.4: 234.45,76.14 236.2,76.14 v1(236.23,76.17) ; v1(208.28,74.67) 208.31,74.64 209.95,74.64
Net-(LED64-DIN): length 37.5
  In1.Cu w0.4: v1(227.23,74.59) 227.23,73.54 227.93,72.84 255.68,72.84 256.38,73.54 256.38,75.26 255.55,76.09 v1(255.18,76.09)
  Bottom w0.4: v1(227.23,74.59) 227.26,74.62 229.01,74.62 ; 253.51,76.12 255.15,76.12 v1(255.18,76.09)
Net-(LED65-DIN): length 44.3
  In1.Cu w0.4: v1(279.77,67.87) 271.13,76.51 256.13,76.51 254.93,77.71 246.53,77.71 245.73,76.91 245.73,75.11 v1(246.33,74.51)
  Bottom w0.4: v1(246.33,74.51) 248.02,74.51 LED65.3 ; 279.73,67.91 v1(279.77,67.87) LED66.2
Net-(LED66-DIN): length 49.7
  In1.Cu w0.4: v1(280.73,69.11) 291.73,69.11 295.45,72.83 308.09,72.83 308.79,73.53 308.79,75.68 308.39,76.08 v1(307.59,76.08)
  In2.Cu w0.4: v1(280.73,69.11) 272.73,69.11 271.73,68.11 271.73,65.71 v1(272.33,65.11)
  Bottom w0.4: v1(272.33,65.11) 274.3,65.11 LED66.3 ; 305.93,76.11 307.56,76.11
Net-(LED67-DIN): length 37.8
  In1.Cu w0.4: v1(326.73,76.17) 326.73,77.22 326.03,77.92 298.28,77.92 297.58,77.22 297.58,75.07 297.98,74.67 v1(298.78,74.67)
  Bottom w0.4: v1(326.73,76.17) 326.7,76.14 324.95,76.14 ; v1(298.78,74.67) 298.81,74.64 300.45,74.64
Net-(LED68-DIN): length 37.8
  In1.Cu w0.4: v1(317.73,74.59) 317.73,73.54 318.43,72.84 346.18,72.84 346.88,73.54 346.88,75.69 346.48,76.09 v1(345.68,76.09)
  Bottom w0.4: 319.51,74.62 317.76,74.62 v1(317.73,74.59) ; 344.01,76.12 345.65,76.12 v1(345.68,76.09)
Net-(LED69-DIN): length 47.6
  In1.Cu w0.4: v1(336.73,74.66) 335.73,75.66 335.73,77.16 336.73,78.16 347.73,78.16 352.86,73.03 369.86,73.03 369.86,73.05 370.68,73.86 370.68,75.76 370.28,76.16 v1(369.48,76.16)
  Bottom w0.4: LED69.3 338.57,74.66 v1(336.73,74.66) ; 367.81,76.19 369.45,76.19
Net-(LED70-DIN): length 37.8
  In1.Cu w0.4: v1(360.68,74.67) 359.88,74.67 359.48,75.07 359.48,77.22 360.18,77.92 387.93,77.92 388.63,77.22 v1(388.63,76.17)
  Bottom w0.4: v1(360.68,74.67) 360.71,74.64 362.35,74.64 ; v1(388.63,76.17) 388.6,76.14 386.85,76.14
Net-(LED71-DIN): length 37.8
  In1.Cu w0.4: v1(407.58,76.09) 408.38,76.09 408.78,75.69 408.78,73.54 408.08,72.84 380.33,72.84 379.63,73.54 v1(379.63,74.59)
  Bottom w0.4: v1(407.58,76.09) 407.55,76.12 405.91,76.12 ; 381.41,74.62 379.66,74.62 v1(379.63,74.59)
Net-(LED72-DIN): length 33.4
  In1.Cu w0.4: v1(424.73,68.66) 412.98,68.66 v1(409.48,72.16)
  In2.Cu w0.4: v1(398.48,74.41) 398.48,73.66 399.23,72.91 408.73,72.91 v1(409.48,72.16)
  Bottom w0.4: LED72.3 398.68,74.62 v1(398.48,74.41) ; LED73.2 425.03,68.36 v1(424.73,68.66)
Net-(LED73-DIN): length 10.6
  Bottom w0.4: U8.4 417.13,70.18 417.13,65.71 417.75,65.09 LED73.3
Net-(LED74-DOUT): length 21.5
  In1.Cu w0.4: v1(41.56,55.59) 40.16,56.98 v1(24.38,56.98)
  Bottom w0.4: LED74.2 24.29,57.07 v1(24.38,56.98) ; 43.46,55.57 41.58,55.57
Net-(LED75-DOUT): length 14.2
  In1.Cu w0.4: v1(51.01,57.13) 59.11,57.13 v1(60.51,55.73)
  Bottom w0.4: 62.41,55.71 60.53,55.71 ; 50.98,57.16 48.78,57.16
Net-(LED76-DOUT): length 14.2
  In1.Cu w0.4: v1(79.61,55.68) 78.21,57.08 v1(70.11,57.08)
  Bottom w0.4: 70.08,57.11 67.88,57.11 ; 81.51,55.66 79.63,55.66
Net-(LED77-DOUT): length 14.2
  In1.Cu w0.4: v1(89.11,57.08) 97.21,57.08 v1(98.61,55.68)
  Bottom w0.4: 89.08,57.11 86.88,57.11 ; 100.51,55.66 98.63,55.66
Net-(LED78-DOUT): length 14.2
  In1.Cu w0.4: v1(117.71,55.63) 116.31,57.03 v1(108.21,57.03)
  Bottom w0.4: 119.61,55.61 117.73,55.61 ; 108.18,57.06 105.98,57.06
Net-(LED79-DOUT): length 14.2
  In1.Cu w0.4: v1(127.11,57.08) 135.21,57.08 v1(136.61,55.68)
  Bottom w0.4: 127.08,57.11 124.88,57.11 ; 138.51,55.66 136.63,55.66
Net-(LED80-DOUT): length 14.2
  In1.Cu w0.4: v1(155.71,55.63) 154.31,57.03 v1(146.21,57.03)
  Bottom w0.4: 157.61,55.61 155.73,55.61 ; 146.18,57.06 143.98,57.06
Net-(LED81-DOUT): length 14.2
  In1.Cu w0.4: v1(165.21,57.03) 173.31,57.03 v1(174.71,55.63)
  Bottom w0.4: 165.18,57.06 162.98,57.06 ; 176.61,55.61 174.73,55.61
Net-(LED82-DOUT): length 14.2
  In1.Cu w0.4: v1(184.31,56.98) 192.41,56.98 v1(193.81,55.58)
  Bottom w0.4: 195.71,55.56 193.83,55.56 ; 184.28,57.01 182.08,57.01
Net-(LED83-DOUT): length 14.2
  In1.Cu w0.4: v1(203.42,56.99) 211.52,56.99 v1(212.92,55.59)
  Bottom w0.4: 214.82,55.57 212.94,55.57 ; 203.39,57.02 201.19,57.02
Net-(LED84-DOUT): length 14.2
  In1.Cu w0.4: v1(222.36,57.03) 230.46,57.03 v1(231.86,55.63)
  Bottom w0.4: 233.76,55.61 231.88,55.61 ; 222.33,57.06 220.13,57.06
Net-(LED85-DOUT): length 14.2
  In1.Cu w0.4: v1(241.46,56.98) 249.56,56.98 v1(250.96,55.58)
  Bottom w0.4: 252.86,55.56 250.98,55.56 ; 241.43,57.01 239.23,57.01
Net-(LED86-DOUT): length 106.8
  In1.Cu w0.4: v1(260.13,57.11) 262.93,57.11 266.93,53.11 285.93,53.11 288.38,55.57 v1(360.71,55.57)
  Bottom w0.4: LED87.3 360.71,55.57 v1(360.71,55.57) ; v1(260.13,57.11) 258.38,57.11 LED86.2
Net-(LED87-DOUT): length 14.2
  In1.Cu w0.4: v1(379.57,55.63) 378.17,57.03 v1(370.07,57.03)
  Bottom w0.4: 370.04,57.06 367.84,57.06 ; 381.47,55.61 379.59,55.61
Net-(LED88-DOUT): length 14.2
  In1.Cu w0.4: v1(389.17,57.08) 397.27,57.08 v1(398.67,55.68)
  Bottom w0.4: 389.14,57.11 386.94,57.11 ; 400.57,55.66 398.69,55.66
Net-(LED90-DIN): length 40
  In1.Cu w0.4: v1(10.63,36.51) 10.63,35.46 11.38,34.71 41.38,34.71 42.08,35.41 42.08,37.56 41.68,37.96 v1(40.88,37.96)
  Bottom w0.4: 39.21,37.99 40.85,37.99 ; 10.66,36.54 12.41,36.54
Net-(LED91-DIN): length 37.8
  In1.Cu w0.4: v1(32.08,36.57) 31.28,36.57 30.88,36.97 30.88,39.12 31.58,39.82 59.33,39.82 60.03,39.12 v1(60.03,38.07)
  Bottom w0.4: v1(60.03,38.07) 60,38.04 58.25,38.04 ; 33.75,36.54 32.11,36.54 v1(32.08,36.57)
Net-(LED92-DIN): length 37.8
  In1.Cu w0.4: v1(51.03,36.49) 51.03,35.44 51.73,34.74 79.48,34.74 80.18,35.44 80.18,37.59 79.78,37.99 v1(78.98,37.99)
  Bottom w0.4: 52.81,36.52 51.06,36.52 v1(51.03,36.49) ; 77.31,38.02 78.95,38.02 v1(78.98,37.99)
Net-(LED93-DIN): length 37.8
  In1.Cu w0.4: v1(70.18,36.57) 69.38,36.57 68.98,36.97 68.98,39.12 69.68,39.82 97.43,39.82 98.13,39.12 v1(98.13,38.07)
  Bottom w0.4: 96.35,38.04 98.1,38.04 v1(98.13,38.07) ; v1(70.18,36.57) 70.21,36.54 71.85,36.54
Net-(LED94-DIN): length 37.8
  In1.Cu w0.4: v1(89.13,36.49) 89.13,35.44 89.83,34.74 117.58,34.74 118.28,35.44 118.28,37.59 117.88,37.99 v1(117.08,37.99)
  Bottom w0.4: 115.41,38.02 117.05,38.02 v1(117.08,37.99) ; v1(89.13,36.49) 89.16,36.52 90.91,36.52
Net-(LED95-DIN): length 37.8
  In1.Cu w0.4: v1(136.18,38.07) 136.18,39.12 135.48,39.82 107.73,39.82 107.03,39.12 107.03,36.97 107.43,36.57 v1(108.23,36.57)
  Bottom w0.4: v1(136.18,38.07) 136.15,38.04 134.4,38.04 ; 109.9,36.54 108.26,36.54 v1(108.23,36.57)
Net-(LED96-DIN): length 37.8
  In1.Cu w0.4: v1(155.13,37.99) 155.93,37.99 156.33,37.59 156.33,35.44 155.63,34.74 127.88,34.74 127.18,35.44 v1(127.18,36.49)
  Bottom w0.4: v1(155.13,37.99) 155.1,38.02 153.46,38.02 ; 128.96,36.52 127.21,36.52 v1(127.18,36.49)
Net-(LED97-DIN): length 37.8
  In1.Cu w0.4: v1(174.33,38.07) 174.33,39.12 173.63,39.82 145.88,39.82 145.18,39.12 145.18,36.97 145.58,36.57 v1(146.38,36.57)
  Bottom w0.4: 172.55,38.04 174.3,38.04 v1(174.33,38.07) ; 148.05,36.54 146.41,36.54 v1(146.38,36.57)
Net-(LED98-DIN): length 37.8
  In1.Cu w0.4: v1(165.33,36.49) 165.33,35.44 166.03,34.74 193.78,34.74 194.48,35.44 194.48,37.59 194.08,37.99 v1(193.28,37.99)
  Bottom w0.4: 167.11,36.52 165.36,36.52 v1(165.33,36.49) ; 191.61,38.02 193.25,38.02 v1(193.28,37.99)
Net-(LED100-DIN): length 37.8
  In1.Cu w0.4: v1(203.43,36.49) 203.43,35.44 204.13,34.74 231.88,34.74 232.58,35.44 232.58,37.59 232.18,37.99 v1(231.38,37.99)
  Bottom w0.4: 229.71,38.02 231.35,38.02 v1(231.38,37.99) ; 205.21,36.52 203.46,36.52 v1(203.43,36.49)
Net-(LED100-DOUT): length 37.8
  In1.Cu w0.4: v1(212.43,38.07) 212.43,39.12 211.73,39.82 183.98,39.82 183.28,39.12 183.28,36.97 183.68,36.57 v1(184.48,36.57)
  Bottom w0.4: v1(212.43,38.07) 212.4,38.04 210.65,38.04 ; v1(184.48,36.57) 184.51,36.54 186.15,36.54
Net-(LED101-DIN): length 53.8
  In1.Cu w0.4: v1(265.48,39.66) 265.48,39.76 262.43,42.81 247.08,42.81 245.43,41.16 223.43,41.16 221.46,39.2 221.46,36.94 221.86,36.54 v1(222.66,36.54)
  Bottom w0.4: 224.33,36.51 222.69,36.51 ; v1(265.48,39.66) 265.48,38.02 LED102.2
Net-(LED102-DIN): length 71.2
  In1.Cu w0.4: v1(324.98,39.71) 324.98,39.76 324.03,40.71 288.53,40.71 282.73,34.91 265.73,34.91 265.72,34.92 260.02,34.92 v1(259.98,34.96)
  Bottom w0.4: LED103.2 325.01,39.68 v1(324.98,39.71) ; v1(259.98,34.96) 259.98,36.6
Net-(LED103-DIN): length 57.5
  In1.Cu w0.4: v1(369.58,38.06) 370.63,37.01 370.63,35.66 369.88,34.91 v1(319.58,34.91)
  Bottom w0.4: v1(319.58,34.91) 319.56,34.93 LED103.3 ; LED104.2 367.92,38.06 v1(369.58,38.06)
Net-(LED104-DIN): length 37.8
  In1.Cu w0.4: v1(388.63,38.07) 388.63,39.12 387.93,39.82 360.18,39.82 359.48,39.12 359.48,36.97 359.88,36.57 v1(360.68,36.57)
  Bottom w0.4: 386.85,38.04 388.6,38.04 v1(388.63,38.07) ; 362.35,36.54 360.71,36.54 v1(360.68,36.57)
Net-(LED105-DIN): length 37.8
  In1.Cu w0.4: v1(407.58,37.99) 408.38,37.99 408.78,37.59 408.78,35.44 408.08,34.74 380.33,34.74 379.63,35.44 v1(379.63,36.49)
  Bottom w0.4: 405.91,38.02 407.55,38.02 v1(407.58,37.99) ; 381.41,36.52 379.66,36.52 v1(379.63,36.49)
Net-(LED106-DIN): length 33.4
  In1.Cu w0.4: v1(409.43,33.98) 412.93,30.48 v1(424.68,30.48)
  In2.Cu w0.4: v1(398.43,36.23) 398.43,35.48 399.18,34.73 408.68,34.73 v1(409.43,33.98)
  Bottom w0.4: 400.48,36.44 398.63,36.44 v1(398.43,36.23) ; v1(424.68,30.48) 424.98,30.18 424.98,28.41
Net-(LED107-DIN): length 41.7
  In2.Cu w0.4: v1(413.35,57.04) 418.98,51.41 418.98,32.41 417.98,31.41 v1(417.98,27.16)
  Bottom w0.4: LED107.3 418.15,26.99 v1(417.98,27.16) ; LED89.2 413.32,57.07 v1(413.35,57.04)
Net-(LED108-DIN): length 31.5
  In2.Cu w0.4: v1(10.73,17.51) 10.73,20.31 11.83,21.41 15.23,21.41 21.83,28.01 21.83,35.81 v1(19.63,38.01)
  Bottom w0.4: 12.42,17.51 v1(10.73,17.51) ; v1(19.63,38.01) 17.84,38.01 LED90.2
Net-(LED108-DOUT): length 19
  In1.Cu w0.4: v1(19.53,18.96) 32.78,18.96 v1(34.28,17.46)
  Bottom w0.4: v1(19.53,18.96) 17.81,18.96 ; LED109.3 36.19,17.46 v1(34.28,17.46)
Net-(LED109-DOUT): length 19
  In1.Cu w0.4: v1(43.33,18.96) 56.58,18.96 v1(58.08,17.46)
  Bottom w0.4: v1(58.08,17.46) 59.99,17.46 59.99,17.47 ; v1(43.33,18.96) 41.61,18.96
Net-(LED110-DOUT): length 67.3
  In1.Cu w0.4: v1(128.93,17.46) 128.08,16.61 82.68,16.61 80.28,19.01 v1(67.18,19.01)
  Bottom w0.4: v1(128.93,17.46) 131.44,17.46 LED111.3 ; v1(67.18,19.01) 65.46,19.01
Net-(LED111-DOUT): length 67.7
  In1.Cu w0.4: v1(200.78,17.46) 200.33,17.46 199.03,16.16 179.38,16.16 176.58,18.96 v1(138.53,18.96)
  Bottom w0.4: v1(138.53,18.96) 138.52,18.97 LED111.2 ; LED112.3 202.88,17.46 v1(200.78,17.46)
Net-(LED112-DOUT): length 19
  In1.Cu w0.4: v1(224.78,17.46) 223.28,18.96 v1(210.03,18.96)
  Bottom w0.4: v1(224.78,17.46) 226.69,17.46 LED113.3 ; v1(210.03,18.96) 208.31,18.96
Net-(LED113-DOUT): length 19
  In1.Cu w0.4: v1(248.58,17.46) 247.08,18.96 v1(233.83,18.96)
  Bottom w0.4: v1(248.58,17.46) 250.49,17.46 250.49,17.47 ; v1(233.83,18.96) 232.11,18.96
Net-(LED114-DOUT): length 19
  In1.Cu w0.4: v1(272.48,17.46) 270.98,18.96 v1(257.73,18.96)
  Bottom w0.4: v1(272.48,17.46) 274.39,17.46 274.39,17.47 ; v1(257.73,18.96) 256.01,18.96
Net-(LED115-DOUT): length 21.4
  In1.Cu w0.4: v1(281.48,18.96) 296.88,18.96 v1(298.38,17.46)
  Bottom w0.4: v1(281.48,18.96) 281.47,18.97 LED115.2 ; LED116.3 300.51,17.46 v1(298.38,17.46)
Net-(LED116-DOUT): length 14.2
  In1.Cu w0.4: v1(317.67,17.53) 316.27,18.93 v1(308.17,18.93)
  Bottom w0.4: 308.14,18.96 305.94,18.96 ; 319.57,17.51 317.69,17.51
Net-(LED117-DOUT): length 14.2
  In1.Cu w0.4: v1(327.22,18.93) 335.32,18.93 v1(336.72,17.53)
  Bottom w0.4: 327.19,18.96 324.99,18.96 ; 338.62,17.51 336.74,17.51
Net-(LED118-DOUT): length 29.3
  In1.Cu w0.4: v1(345.78,18.96) 357.73,18.96 360.13,16.56 368.93,16.56 v1(369.83,17.46)
  Bottom w0.4: LED118.2 345.77,18.97 v1(345.78,18.96) ; LED119.3 371.95,17.46 v1(369.83,17.46)
Net-(LED119-DOUT): length 24.2
  In1.Cu w0.4: v1(379.13,18.96) 382.08,18.96 384.08,16.96 395.93,16.96 396.43,17.46 v1(397.83,17.46)
  Bottom w0.4: LED120.3 400.52,17.46 v1(397.83,17.46) ; v1(379.13,18.96) 379.12,18.97 LED119.2
Net-(R4-Pad2): length 2.8
  Bottom w0.6: RV1.5 358.77,135.6 R4.2
Net-(R19-Pad1): length 3.2
  Bottom w0.4: 422.36,101.25 U7.2 425.44,101.29 R19.1
Net-(R20-Pad2): length 4.2
  Bottom w0.2: U6.4 212.31,139.4 213.61,140.7 R20.2
Net-(R21-Pad2): length 7.4
  Bottom w0.2: R21.2 216.43,140.06 213.86,137.5 U6.6
Net-(R22-Pad1): length 3.6
  Bottom w0.6: U8.2 425.81,73.53 R22.1
Net-(R27-Pad1): length 2.9
  Bottom w0.6: RV2.5 358.73,116.6 R27.1
Net-(R28-Pad2): length 2.2
  Bottom w0.4: R29.1 R28.2
Net-(U3-QH'): length 139
  In1.Cu w0.4: v1(126.83,100.11) 259.93,100.11 261.49,98.55 v1(261.49,98.51)
  Bottom w0.4: v1(261.49,98.51) 261.49,100.96 ; v1(126.83,100.11) 126.5,100.44 125.75,100.44 ; 261.48,100.88 261.48,100.88
Net-(U4-QH'): length 120
  In1.Cu w0.4: v1(385.13,103.51) 384.83,103.21 383.83,103.21 381.53,100.91 v1(269.13,100.91)
  Bottom w0.4: 267.83,100.88 269.09,100.88 v1(269.13,100.91) ; 385.13,105.14 385.13,105.13 v1(385.13,103.51)
Net-(U11-EN): length 2.6
  Bottom w0.4: R30.1 212.01,135.11 210.83,135.11
Net-(U11-SET): length 3.4
  Bottom w0.4: R28.1 208.11,135.13 208.13,135.11
Net-(U11-VIN): length 58.2
  Top w0.8: v1(212.23,138.46) 205.84,138.46 ; 205.84,138.46 205.41,138.46 v1(205.25,138.3) 205.28,138.33 v1(205.28,139.03) ; 205.84,138.46 v1(205.28,139.03) ; v1(205.28,139.03) 205.25,139.05 v1(205.25,139.75) v1(205.25,140.45) 205.25,142.42 205.71,142.88 205.71,144.2 ; v1(206.7,146.1) 205.71,145.11 205.71,144.2 ; 205.71,144.2 206.7,145.19
  Top w1: v1(212.23,138.46) 209.23,141.46 209.23,144.41 ; v1(212.23,138.46) 213.65,137.04 ; v1(212.23,138.46) 213.28,138.46 v1(213.73,138.91) 213.65,138.84 213.65,137.04 ; 209.23,144.41 209.23,145.38 v1(208.5,146.1) ; 209.23,144.41 v1(208.48,145.16) ; 213.65,137.04 v1(213.65,133.66) ; v1(208.5,146.1) v1(206.7,146.1) 206.7,145.19 v1(206.73,145.16) v1(208.48,145.16) ; v1(208.5,146.1) 208.48,146.08 v1(208.48,145.16) ; v1(213.65,133.66) 213.2,133.21 v1(213.05,133.21) v1(212.15,133.21) ; v1(213.65,133.66) 213.7,133.61 v1(213.7,132.8) 213.2,132.3 v1(213,132.3) 213.1,132.2 212.2,132.2 v1(212.2,132.3)
  Bottom w0.2: J1.A9 210.08,142.82 209.35,143.55 ; J1.A4 205.28,142.83 205.75,143.3 205.9,143.3
  Bottom w0.4: R30.2 214.84,134.85 v1(213.65,133.66)
  Bottom w0.6: C131.1 210.49,132.88 210.83,133.21
  Bottom w0.8: v1(212.15,133.21) 212.15,132.35 v1(212.2,132.3)
  Bottom w1: v1(213.7,132.8) 213.2,132.3 v1(212.2,132.3) 212.07,132.43
  vias: v1(207.7,146.1) v1(207.73,145.16) v1(213.13,138.46)
unconnected-(RV1-Pad2): length 0
  Bottom w0.6: 358.76,140.61 RV1.2
unconnected-(RV2-Pad2): length 0
  Bottom w0.6: 358.75,121.61 RV2.2

## Copper pours and planes (outline as drawn; the poured copper is in the pictures)
+3.3V on Bottom (solid shape): 402.55,125.35 403.55,125.35 403.55,122.75 404.3,122 404.3,114.1 404.29,114.09 402.46,114.09 401.8,114.75 401.8,121.9 402.55,122.65
+5V on Bottom (solid shape): 207.83,132.91 207.38,132.47 207.38,132.04 207.21,131.83 206.08,131.83 205.85,132.02 205.85,133.26 206.1,133.51 208.8,133.51 208.9,133.41 208.9,133.01 208.8,132.91
+5V on Top: -3.37,151.31 437.03,151.31 437.13,151.21 437.13,-2.19 -3.37,-2.19
GND on Bottom: 397,117 397,111 390,111 390,117
GND on Bottom: 436.33,150.91 -2.87,150.91 -2.87,-1.59 436.33,-1.59
Net-(U11-VIN) on Bottom (solid shape): 212.64,133.5 213.19,134.05 213.89,134.05 214.09,133.85 214.09,133.35 213.64,132.9 210.14,132.9 210.04,133 210.04,133.4 210.14,133.5
Net-(U11-VIN) on Bottom (solid shape): 212.72,138.75 213.27,139.3 213.97,139.3 214.17,139.1 214.17,138.6 213.72,138.15 210.22,138.15 210.12,138.25 210.12,138.65 210.22,138.75
Net-(U11-VIN) on Bottom: 204.95,141.55 204.85,141.45 204.85,140.85 204.7,140.7 204.7,138.05 204.85,137.85 205.7,137.85 205.85,138.05 205.85,140.7 205.7,140.85 205.7,141.45 205.6,141.55 205.6,142.75 205.8,142.95 206.05,142.95 206.2,143.1 206.2,143.95 206.65,144.4 208.35,144.4 209.7,143.05 209.7,141.5 209.8,141.45 210.35,141.45 210.45,141.5 210.45,142.75 210.15,143 210.15,144.7 209.15,146.8 206.2,146.8 205.2,144.75 205.2,143.05 204.95,142.8

## Text on the board
B.Silkscreen: JLCJLCJLCJLC | RAPPEPI / 2025/04 / REV 1.0
F.Silkscreen: RAPPEPI / 2025/04 / REV 1.0
